# KiCad board 500x500-dc-metro-map3.kicad_pcb
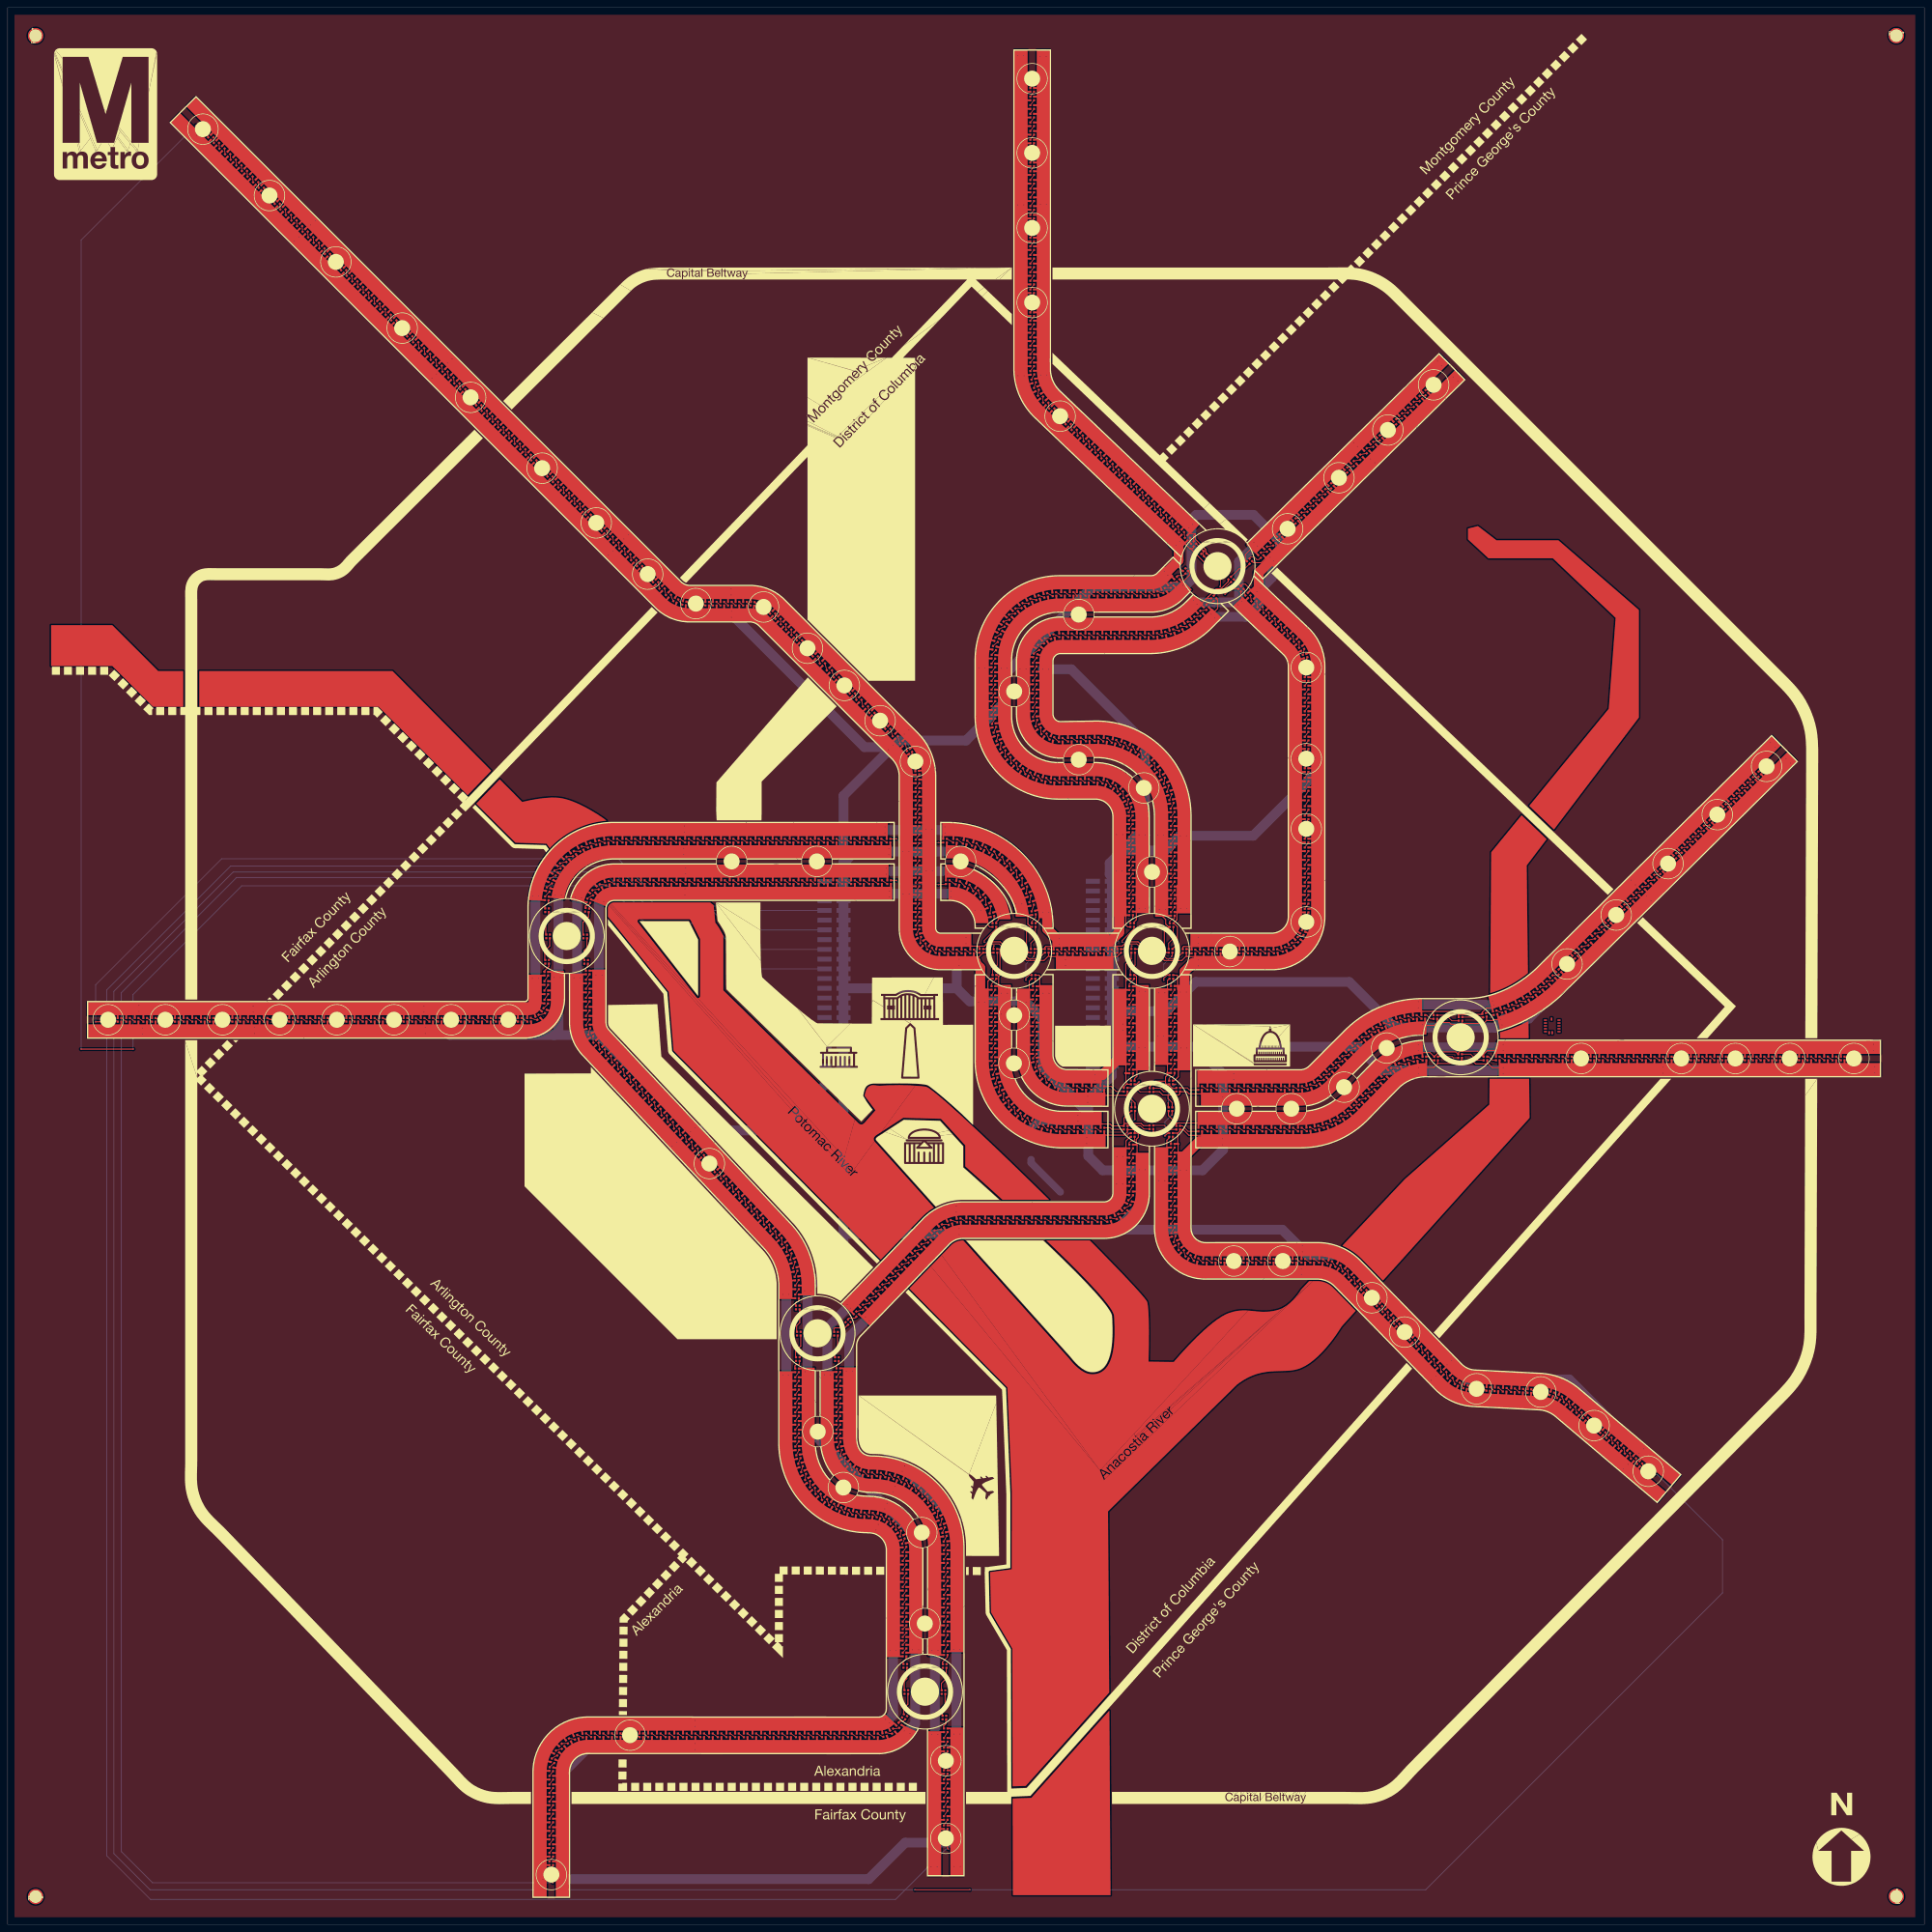
[diagram p0: board, top side]
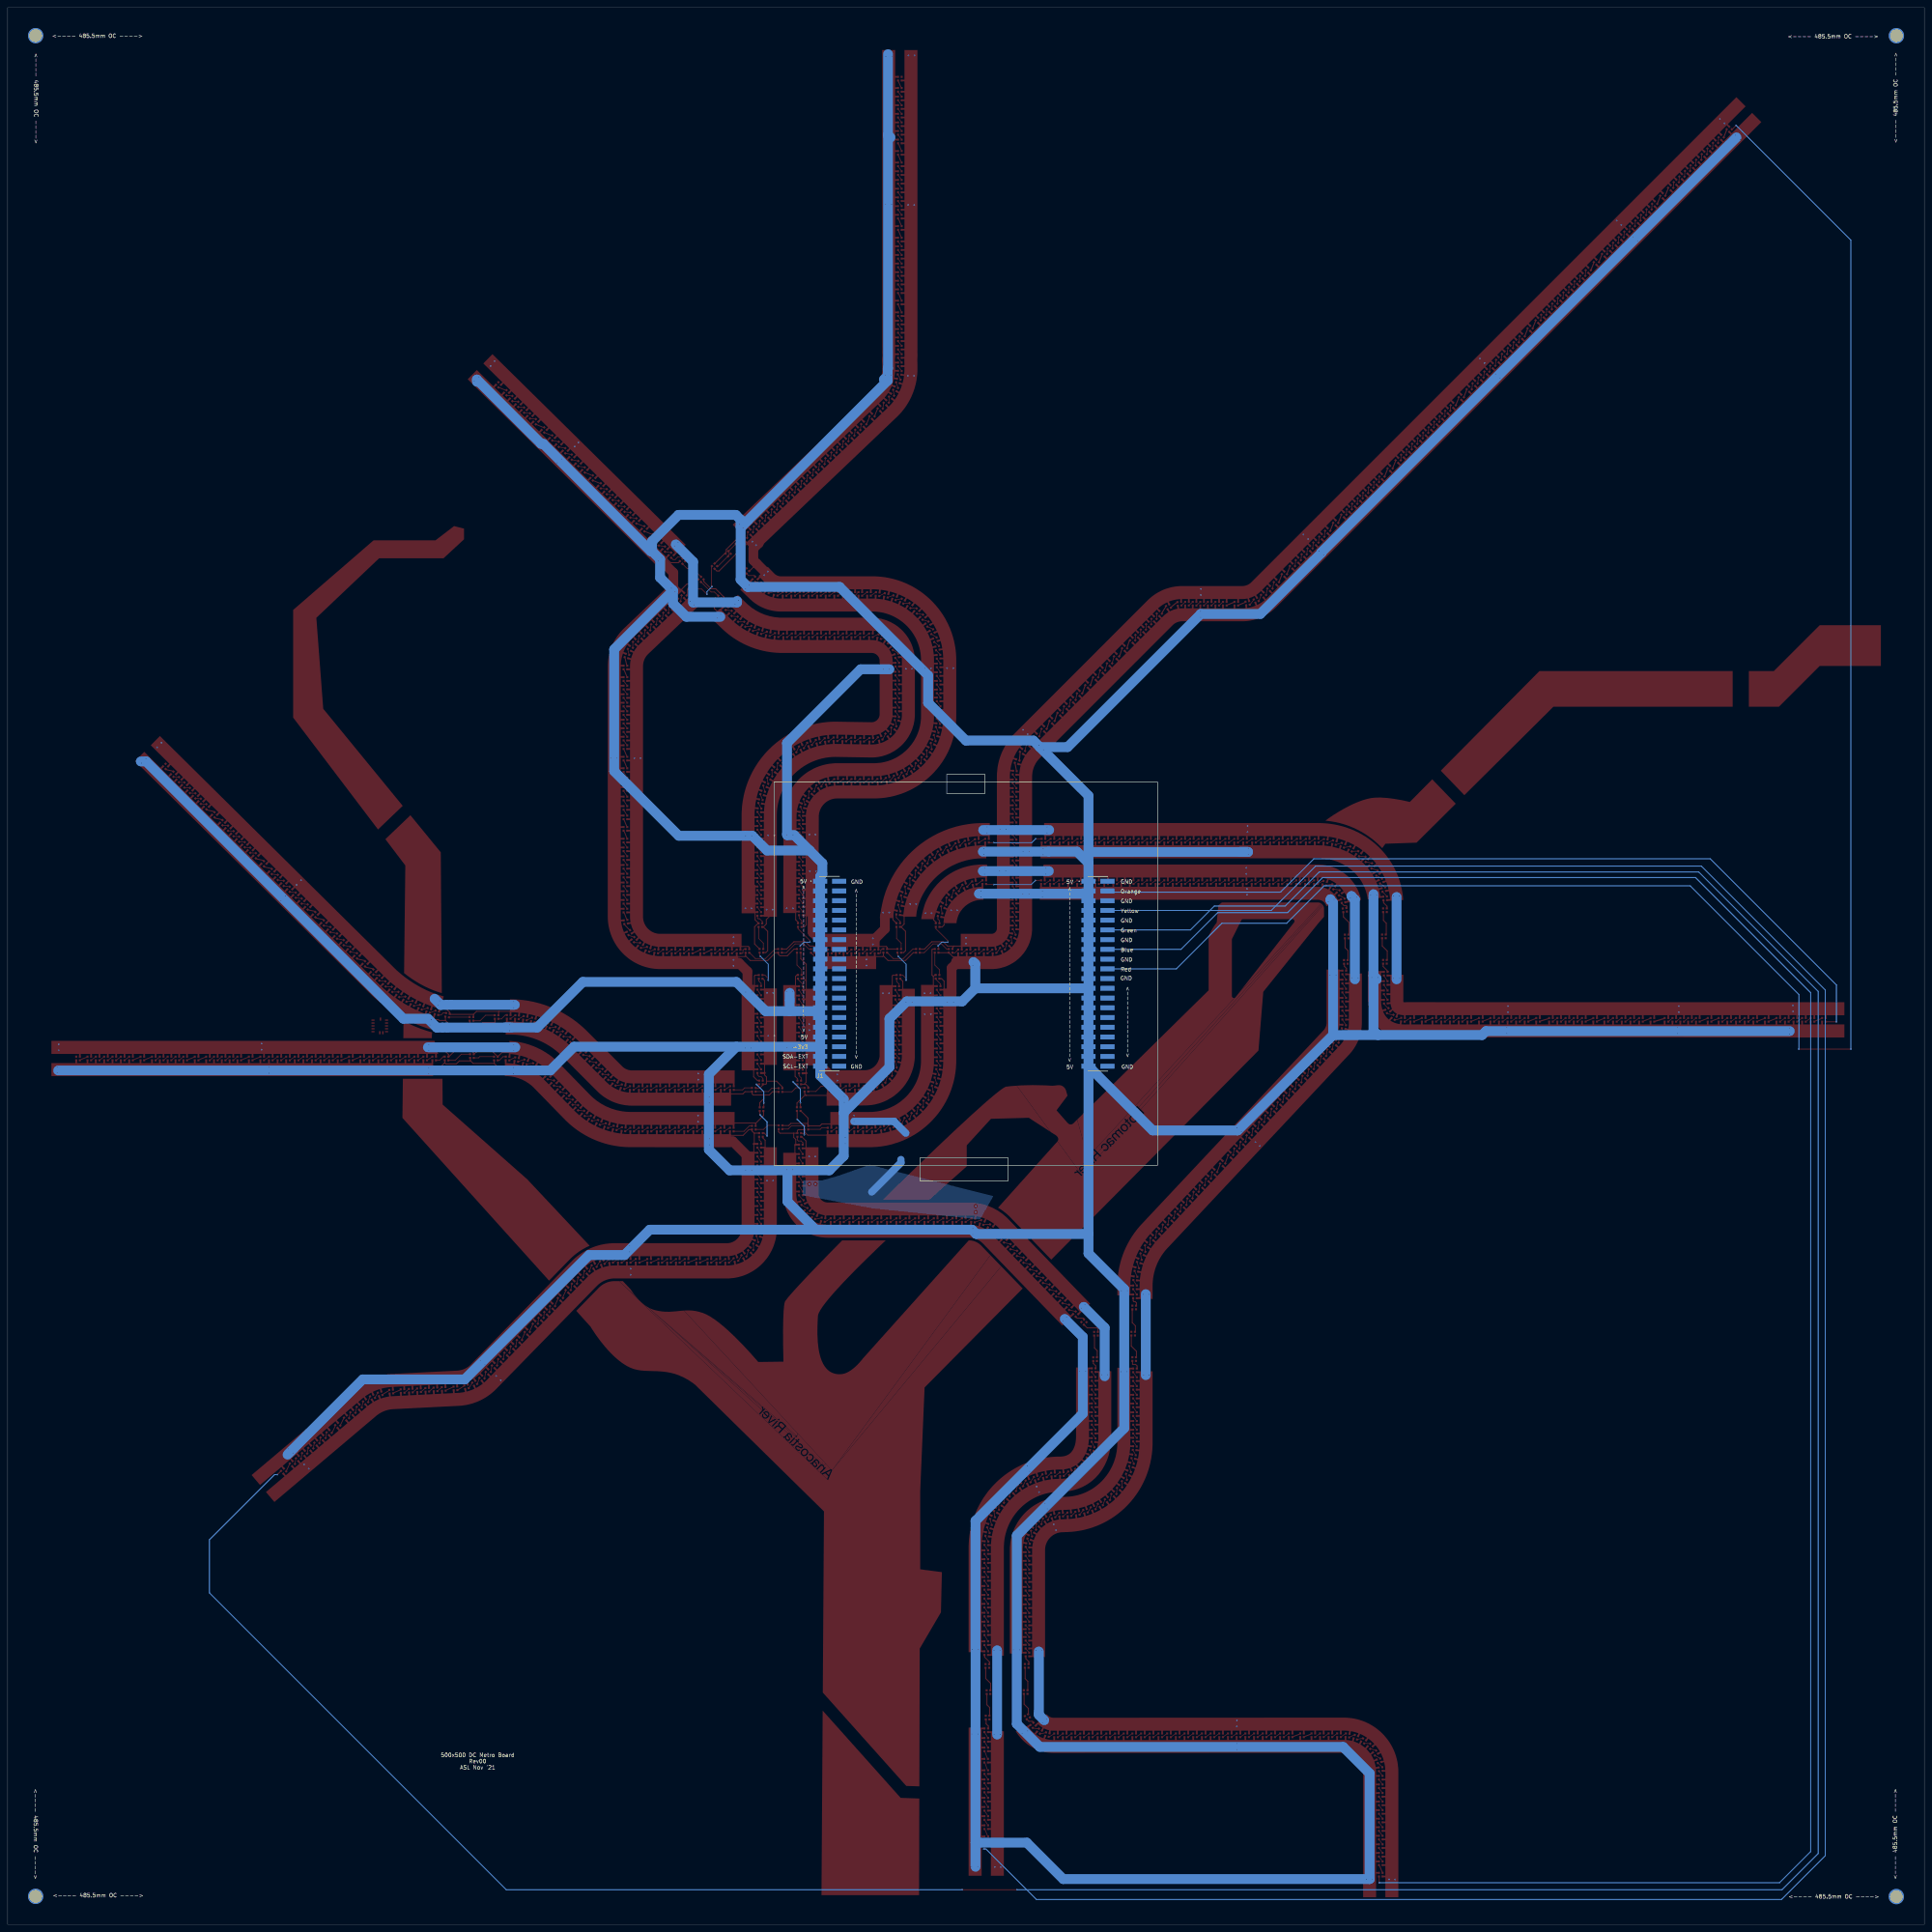
[diagram p1: board, bottom side, seen from below]

Outline 500.06 x 500.06 mm; copper layers: Top, Bottom. Coordinates in mm from the lower left corner of the outline.
Outline path: 0,500.06 0,0 500.06,0 500.06,500.06 0,500.06

## Placement (name value [footprint] x y rotation side)
J1  ESP32-Backpack  [Double-SAMTEC_TSM-120-01-L-DV]  283.06 248.02 180 bottom
M1  Map  [500x500-board]  0.06 500.06 0 top
REF**  Frame Mount  [FrameMount-rev00]  492.76 7.3 90 top
REF**#2  Frame Mount  [FrameMount-rev00]  7.3 7.24 0 top
REF**#3  Frame Mount  [FrameMount-rev00]  7.29 492.75 270 top
REF**#4  Frame Mount  [FrameMount-rev00]  492.76 492.76 180 top
U1  VCNL4010-GS08  [XDCR_VCNL4010-GS08]  402.97 234.4 0 top

## Footprints (pads in the part's own frame, mm; a bottom-side part is the same pattern mirrored in y, then rotated)
500x500-board
  custom 119.471x11.649 smd: 1(137.425,-254.8)
  custom 124.284x17.396 smd: 2(143.075,-254.7)
  custom 59.003x85.055 smd: 3(148.025,-254.35)
  custom 59.023x85.069 smd: 4(154,-254.05)
  custom 93.702x20.393 smd: 5(226.775,-214.35)
  custom 89.711x15.134 smd: 6(227.3,-220.125)
  custom 82.863x10.154 smd: 7(227.375,-225.15)
  custom 78.912x6.078 smd: 8(228.375,-231.225)
  custom 28.717x24.788 smd: 9(246.025,-214.225)
  custom 22.856x19.623 smd: 10(246.5,-220.075)
  custom 17.209x14.265 smd: 11(246.4,-225.35)
  custom 11.334x10.507 smd: 12(247.2,-231.325)
  custom 204.786x222.685 smd: 13(248.95,-243.3)
  custom 209.878x223.384 smd: 14(249.675,-248.925)
  custom 14.875x4.403 smd: 15(279.975,-243.425)
  custom 15.047x4.397 smd: 16(280.875,-249.025)
  custom 33.868x41.404 smd: 17(254.075,-257.975)
  custom 28.065x37.567 smd: 18(260.025,-257.425)
  custom 23.03x30.505 smd: 19(265.3,-258.425)
  custom 17.31x26.663 smd: 20(270.85,-257.825)
  custom 4.401x19.99 smd: 21(290.15,-257.975)
  custom 4.401x22.346 smd: 22(295.875,-257.65)
  custom 4.4x19.965 smd: 23(300.825,-257.825)
  custom 4.4x22.325 smd: 24(306.825,-257.6)
  custom 30.114x92.43 smd: 25(311.95,-243.25)
  custom 34.007x101.087 smd: 26(312.05,-249.375)
  custom 52.203x91.23 smd: 27(290.375,-235.4)
  custom 51.582x87.479 smd: 28(295.875,-234.075)
  custom 49.096x83.989 smd: 29(300.925,-233.85)
  custom 48.553x80.216 smd: 30(306.825,-233.4)
  custom 58.783x22.968 smd: 31(312.3,-279.075)
  custom 58.824x22.965 smd: 32(313.375,-284.625)
  custom 59.037x22.919 smd: 33(313,-290)
  custom 59.099x22.972 smd: 34(314.2,-295.8)
  custom 75.292x43.931 smd: 35(290.1,-301.625)
  custom 76.019x45.095 smd: 36(295.9,-302.175)
  custom 133.288x92.75 smd: 37(300.95,-301.95)
  custom 132.233x86.997 smd: 38(306.925,-301.95)
  custom 76.439x72.194 smd: 39(388.275,-259.15)
  custom 78.484x72.514 smd: 40(390.75,-264.475)
  custom 100.937x4.401 smd: 41(392.325,-271.375)
  custom 99.665x4.401 smd: 42(393.2,-277.1)
  custom 45.537x131.098 smd: 43(302.95,-138.35)
  custom 43.415x126.998 smd: 44(306.75,-133.5)
  custom 52.805x52.837 smd: 45(326.525,-138.925)
  custom 52.803x51.482 smd: 46(330.725,-143.175)
  custom 32.475x74.684 smd: 47(202.75,-358)
  custom 32.457x74.684 smd: 48(208.725,-357.775)
  custom 32.435x74.383 smd: 49(213.65,-358.275)
  custom 32.446x74.383 smd: 50(219.55,-358.025)
  custom 95.031x47.76 smd: 51(227.75,-447.75)
  custom 95.029x45.333 smd: 52(233.275,-451.5)
  custom 4.429x37.763 smd: 53(241.8,-451.55)
  custom 4.401x38.713 smd: 54(247.475,-451.7)
Double-SAMTEC_TSM-120-01-L-DV
  rect 3.68x1.27 smd: 01(-5.015,24.13) 02(-0.065,24.13) 03(-5.015,21.59) 04(-0.065,21.59) 05(-5.015,19.05) 06(-0.065,19.05) 07(-5.015,16.51) 08(-0.065,16.51) 09(-5.015,13.97) 10(-0.065,13.97) 11(-5.015,11.43) 12(-0.065,11.43) 13(-5.015,8.89) 14(-0.065,8.89) 15(-5.015,6.35) 16(-0.065,6.35) 17(-5.015,3.81) 18(-0.065,3.81) 19(-5.015,1.27) 20(-0.065,1.27) 21(-5.015,-1.27) 22(-0.065,-1.27) 23(-5.015,-3.81) 24(-0.065,-3.81) 25(-5.015,-6.35) 26(-0.065,-6.35) 27(-5.015,-8.89) 28(-0.065,-8.89) 29(-5.015,-11.43) 30(-0.065,-11.43) 31(-5.015,-13.97) 32(-0.065,-13.97) 33(-5.015,-16.51) 34(-0.065,-16.51) 35(-5.015,-19.05) 36(-0.065,-19.05) 37(-5.015,-21.59) 38(-0.065,-21.59) 39(-5.015,-24.13) 40(-0.065,-24.13) 41(64.985,24.13) 42(69.935,24.13) 43(64.985,21.59) 44(69.935,21.59) 45(64.985,19.05) 46(69.935,19.05) 47(64.985,16.51) 48(69.935,16.51) 49(64.985,13.97) 50(69.935,13.97) 51(64.985,11.43) 52(69.935,11.43) 53(64.985,8.89) 54(69.935,8.89) 55(64.985,6.35) 56(69.935,6.35) 57(64.985,3.81) 58(69.935,3.81) 59(64.985,1.27) 60(69.935,1.27) 61(64.985,-1.27) 62(69.935,-1.27) 63(64.985,-3.81) 64(69.935,-3.81) 65(64.985,-6.35) 66(69.935,-6.35) 67(64.985,-8.89) 68(69.935,-8.89) 69(64.985,-11.43) 70(69.935,-11.43) 71(64.985,-13.97) 72(69.935,-13.97) 73(64.985,-16.51) 74(69.935,-16.51) 75(64.985,-19.05) 76(69.935,-19.05) 77(64.985,-21.59) 78(69.935,-21.59) 79(64.985,-24.13) 80(69.935,-24.13)
FrameMount-rev00
  round 4 hole 3.2: 1(0,0)
XDCR_VCNL4010-GS08
  rect 0.805x0.35 smd: 1(-1.768,1.5) 2(-1.768,0.75) 3(-1.768,0) 4(-1.768,-0.75) 5(-1.768,-1.5) 7(1.772,-1.5) 8(1.772,-0.75) 9(1.772,0) 10(1.772,0.75) 11(1.772,1.5)
  rect 0.4x0.805 smd: 6(-0.8,-1.772) 12(-0.175,1.772) 13(0,-1.772)

## Nets
+5V: J1.01 J1.03 J1.05 J1.07 J1.09 J1.11 J1.13 J1.15 J1.17 J1.19 J1.21 J1.23 J1.25 J1.27 J1.29 J1.31 J1.33 J1.41 J1.43 J1.45 J1.47 J1.49 J1.51 J1.53 J1.55 J1.57 J1.59 J1.61 J1.63 J1.65 J1.67 J1.69 J1.71 J1.73 J1.75 J1.77 J1.79 M1.2
GND: J1.02 J1.04 J1.06 J1.08 J1.10 J1.12 J1.14 J1.16 J1.18 J1.20 J1.22 J1.24 J1.26 J1.28 J1.30 J1.32 J1.34 J1.36 J1.38 J1.40 J1.42 J1.46 J1.50 J1.54 J1.58 J1.62 J1.64 J1.66 J1.68 J1.70 J1.72 J1.74 J1.76 J1.78 J1.80 M1.1 U1.12
Net-(J1-Pad35): J1.35 U1.1 U1.7
Net-(J1-Pad37): J1.37 U1.4
Net-(J1-Pad39): J1.39 U1.5
Net-(J1-Pad44): J1.44 M1.3
Net-(J1-Pad48): J1.48 M1.4
Net-(J1-Pad52): J1.52 M1.5
Net-(J1-Pad56): J1.56 M1.6
Net-(J1-Pad60): J1.60 M1.7
Net-(U1-Pad2): U1.2
Net-(U1-Pad3): U1.3
Net-(U1-Pad6): U1.6
Net-(U1-Pad8): U1.8
Net-(U1-Pad9): U1.9
Net-(U1-Pad10): U1.10
Net-(U1-Pad11): U1.11
Net-(U1-Pad13): U1.13

Pads without a net: M1 8 9 10 11 12 13 14 15 16 17 18 19 20 21 22 23 24 25 26 27 28 29 30 31 32 33 34 35 36 37 38 39 40 41 42 43 44 45 46 47 48 49 50 51 52 53 54; REF** 1; REF**#2 1; REF**#3 1; REF**#4 1

## Via types
v1: diameter 0.4, hole 0.198, Top to Bottom, 357 vias

## Routing (per net, layer and track width the routed paths; a pad name or vN(x,y) marks a point on that pad's centre or on a via; arc(x,y) is an arc through that point)
5V: length 3000.5
  Top w0.203: 307.53,253.46 307.42,253.35 307.37,253.35
  Top w0.254: 298.99,253.51 299.74,253.51 301.78,251.47 306.35,251.47 307.54,252.67 ; 303.96,206.46 303.93,206.43 305.3,206.43 ; 254.28,220.61 254.28,242.41 255.75,243.88 255.75,246.09 256.4,246.73 256.93,246.73 ; 307.54,252.67 307.54,253.51 ; 307.54,252.67 307.72,252.49 325.72,252.49 327.35,250.86 ; 305.85,207.36 306.68,207.36 308.18,205.85 314.38,205.85 315.93,204.31 ; 305.85,207.36 305.94,207.26 305.94,207.23 ; 305.85,207.36 305.85,206.98 305.3,206.43 ; 305.3,206.43 305.27,206.4 305.27,203.63 ; 305.27,203.63 305.38,203.52 305.38,195.6 306.85,194.13 ; 305.27,203.63 304.38,203.63 ; 248.12,268.66 247.38,268.66 ; 257.2,253.51 254.5,253.51 253.43,252.44 251.94,252.44 ; 266.52,243.85 266.52,246.05 267.13,246.66 ; 266.98,253.53 266.29,253.53 265.81,254.01 265.81,259.08 266.93,260.21 266.17,260.97 266.17,262.98 ; 299,253.51 299,253.12 298.58,252.69 296.65,252.69 294.88,254.46 294.1,254.46 ; 369.69,234.53 372.17,234.53 372.93,235.29 ; 379.45,235.04 379.23,234.82 376.62,234.82 376.15,235.29 372.93,235.29 ; 379.45,235.04 379.45,235.76 ; 379.45,235.04 385.06,235.04 385.85,235.83 ; 385.85,235.83 385.85,236.81 ; 385.85,235.83 387.47,235.83 387.7,236.06 v1(389.58,236.06) ; 373.1,225.46 373.1,224.6 ; 373.1,224.6 378.59,224.6 379.26,225.27 ; 373.1,224.6 372.05,223.55 v1(368.08,223.55) ; 379.35,226.06 379.35,225.36 379.26,225.27 ; 379.26,225.27 382.21,225.27 383.01,224.48 385.76,224.48 385.98,224.7 ; 385.98,224.7 385.98,225.41 ; 385.98,224.7 386.15,224.7 387.34,223.5 v1(390.2,223.5) ; 372.93,236.23 372.93,235.29
  Top w2.54: 307.05,234.83 307.05,248.6 309.31,250.86 327.35,250.86 ; 252.6,251.22 252.6,250.68 253.78,249.51 253.78,242.91 254.28,242.41 ; 306.85,194.13 306.85,200.25 310.91,204.31 315.93,204.31 ; 326.39,348.32 326.39,352.64 329.57,355.82
  Bottom w2.54: 386.5,233.98 370.29,233.98 ; 386.65,233.96 388.1,233.96 390.41,236.27 396.79,236.27 463.93,303.4 465.33,303.4 ; 245.64,279.87 221.07,279.87 218.07,276.87 ; 296.04,243.01 296.04,238.25 ; 296.04,238.25 288.95,238.25 288.07,239.13 ; 296.04,238.25 302.32,238.25 309.94,245.87 350.01,245.87 361.91,233.98 370.29,233.98 ; 247.55,21.31 247.55,15.02 ; 247.55,21.31 234.16,21.31 224.66,11.81 144.72,11.81 144.72,39.37 151.64,46.29 230.76,46.29 236.78,52.31 236.78,101.42 208.74,129.46 208.74,165.7 218.07,175.03 218.07,180.14 ; 247.55,21.31 247.55,105.26 219.56,133.25 219.56,153.25 224.26,157.95 ; 218.07,223.89 201.32,207.14 179.13,207.14 154.25,232.02 ; 218.07,223.89 218.07,180.14 ; 218.07,223.89 218.07,268.68 ; 326.47,347.99 329.84,351.37 329.84,356.15 331.93,358.23 ; 326.47,347.99 341.82,332.64 341.82,300.86 324.97,284.01 v1(307.53,284.01) 305.79,284.01 301.94,280.16 290.83,280.16 ; 326.47,347.99 326.47,344.61 322.99,341.13 314.12,341.13 ; 296.61,196.72 285.69,196.72 281.94,200.47 281.94,211.71 ; 296.61,196.72 311.72,196.72 317.12,202.12 317.12,221.81 309.96,228.97 ; 296.61,196.72 296.61,188.6 289.24,181.23 ; 230.76,307.15 232.45,308.85 250.04,308.85 259.91,318.71 259.91,325.84 283,348.93 306.93,348.93 ; 230.76,307.15 218.07,294.46 218.07,279.8 ; 230.76,307.15 223.52,307.15 188.79,341.88 173.23,341.88 157.29,357.82 157.29,357.95 49.02,466.22 ; 308.84,364.66 308.84,350.84 306.93,348.93 ; 308.84,364.66 308.84,366.48 310.08,367.73 325.04,367.73 331.93,360.85 331.93,358.23 ; 308.84,364.66 308.57,364.66 270.45,402.78 270.45,404.05 ; 154.25,232.02 142.54,232.02 ; 154.25,232.02 154.25,266.51 154.94,267.2 154.94,267.47 ; 270.45,404.05 270.45,405.89 270.38,405.96 270.38,466.85 ; 270.45,404.05 271.46,403.03 ; 290.83,280.16 294.83,284.16 296.63,284.16 v1(296.74,284.26) 296.74,308.23 277.52,327.44 v1(270.01,327.44) ; 290.83,280.16 287.51,276.84 287.51,273.99 288.07,273.42 288.07,223.89 288.07,221.43 281.94,215.3 281.94,211.71 ; 309.96,228.97 352.31,228.97 358.49,222.79 486.88,222.79 ; 309.96,228.97 288.07,228.97 ; 218.07,268.68 218.07,272.15 218.07,276.87 ; 218.07,268.68 218.29,268.9 246.66,268.9 ; 142.54,232.02 115.39,232.02 114.36,233.05 35.12,233.05 ; 142.54,232.02 143.71,233.18 143.71,247.51 ; 248.09,251.08 247.6,250.58 247.6,244.21 ; 218.07,244.21 247.6,244.21 ; 247.6,244.21 251.02,240.79 265.49,240.79 270,236.28 270,223.65 281.94,211.71 ; 143.71,247.51 143.71,268.77 ; 143.71,247.51 142.9,246.7 142.9,246.52 ; 218.07,180.14 247.38,180.14 248.48,181.23 289.24,181.23 ; 370.29,233.98 368.8,233.98 ; 218.07,276.87 218.07,279.8 ; 218.07,279.8 176.45,279.8 178.42,279.8 ; 331.93,358.23 332.26,358.23 360.3,386.27 360.87,386.27 377.63,403.03 377.63,402.46 ; 270.38,466.85 270.38,487.93 ; 270.38,466.85 269.75,466.22 ; 306.93,348.93 307.04,348.93 ; 289.24,181.23 332.55,181.23 339.15,174.62 348.36,174.62 380.81,142.18 407.42,142.18 427.04,122.56
  vias: v1(35.22,233.86) v1(35.22,232.28) v1(48.07,465.65) v1(49.28,466.79) v1(64.36,233.98) v1(64.36,232.41) v1(74.8,439.1) v1(76.01,440.25) v1(108.94,233.98) v1(108.94,232.41) v1(110.68,403.35) v1(111.89,404.5) v1(142.6,247.03) v1(142.85,268.59) v1(143.97,11.79) v1(144.17,247.03) v1(144.45,268.49) v1(145.54,11.79) v1(153.49,247.61) v1(154,267.42) v1(155.07,247.61) v1(155.52,266.81) v1(156.72,357.19) v1(157.92,358.33) v1(176.38,280.72) v1(176.38,279.15) v1(176.7,270.18) v1(176.7,268.61) v1(178.18,206.82) v1(179.36,207.82) v1(179.3,47.17) v1(179.3,45.59) v1(188.82,342.57) v1(188.82,341) v1(207.92,165.32) v1(208.03,144.18) v1(209.5,165.32) v1(209.6,144.18) v1(218.8,144.26) v1(220.37,144.26) v1(223.8,158.48) v1(224.79,157.47) v1(228.83,108.39) v1(229.43,109.86) v1(229.81,306.45) v1(229.9,280.63) v1(229.9,279.06) v1(230.1,269.61) v1(230.1,268.03) v1(231.01,307.59) v1(233.4,118.17) v1(233.57,279.85) v1(233.62,268.79) v1(233.93,50.46) v1(234,119.63) v1(235.15,279.85) v1(235.2,268.79) v1(235.41,49.8) v1(236.09,71.62) v1(237.67,71.62) v1(245.34,280.68) v1(245.34,279.11) v1(246.1,269.61) v1(246.1,268.03) v1(246.79,71.77) v1(246.91,49.64) v1(246.96,15.09) v1(248.25,251.78) v1(248.25,250.2) v1(248.26,181.53) v1(248.26,179.96) v1(248.36,71.77) v1(248.49,49.64) v1(248.54,15.09) v1(252.35,264.57) v1(253.3,240.63) v1(253.92,264.57) v1(254.88,240.63) v1(259.22,327.7) v1(260.79,327.7) v1(263.02,266.22) v1(264.1,240.56) v1(264.59,266.22) v1(265.67,240.56) v1(269.38,487.34) v1(269.44,448.79) v1(269.51,404.22) v1(270.95,487.34) v1(271.02,448.79) v1(271.08,404.22) v1(271.59,327.44) v1(281.53,205.28) v1(281.53,203.71) v1(281.79,216.01) v1(281.79,214.44) v1(295.16,284.26) v1(295.15,228.69) v1(295.21,265.07) v1(295.27,243.42) v1(295.22,196.89) v1(296.72,228.69) v1(296.79,265.07) v1(296.85,243.42) v1(296.8,196.89) v1(305.96,284.01) v1(305.94,243.23) v1(305.94,196.68) v1(306.01,265.07) v1(306.07,228.63) v1(306.6,349.36) v1(307.54,348.4) v1(307.52,243.23) v1(307.52,196.68) v1(307.58,265.07) v1(307.64,228.63) v1(308.2,364.3) v1(309.17,365.24) v1(310.68,251.64) v1(310.68,250.06) v1(314.02,341.8) v1(314.96,340.83) v1(316.9,204.97) v1(316.9,203.39) v1(317.03,215.89) v1(317.03,214.31) v1(325.93,347.66) v1(326.9,348.6) v1(329.39,356.65) v1(330.33,355.69) v1(337.79,177.03) v1(337.79,175.45) v1(341.13,304.27) v1(342.71,304.27) v1(355.57,382.32) v1(356.68,381.32) v1(368.08,221.98) v1(369.11,234.72) v1(369.11,233.15) v1(375.54,145.99) v1(376.75,147.13) v1(377.1,403.72) v1(378.33,402.59) v1(389.9,234.65) v1(390.2,221.93) v1(425.64,122.94) v1(426.85,124.08) v1(427.61,268.29) v1(428.75,267.08) v1(431.84,223.63) v1(431.84,222.06) v1(463.99,304.17) v1(465.14,302.96) v1(487.15,223.76) v1(487.15,222.19)
GND: length 325
  Top w0.203: 291.72,261.1 291.72,279.74 ; 291.72,261.02 291.72,279.66 290,281.38 ; 315.63,353.68 315.61,353.68
  Top w0.254: 289.08,255.23 289.49,254.82 289.49,254.46 ; 289.08,255.23 286.99,255.23 ; 289.08,255.23 290.8,255.23 291.92,256.35 294.92,256.35 296.81,254.46 298.04,254.46 ; 291.72,261.02 291.72,260.72 292.23,260.21 292.87,260.21 ; 268.15,261.16 269.09,262.09 269.09,271.13 ; 253.53,254.46 253.53,254.82 253.11,255.23 ; 253.11,255.23 254.84,255.23 255.96,256.35 258.95,256.35 260.85,254.46 262.08,254.46 ; 253.11,255.23 251.03,255.23 ; 258.5,269.44 258.5,262.09 257.88,261.47 257.88,261.21 ; 267.9,254.48 270.6,254.48 270.6,254.89 270.84,255.13 275.93,255.13 277.25,256.46 ; 308.43,358.91 306.14,361.21 304.1,361.21 ; 308.43,358.91 309.14,358.91 309.4,359.17 309.4,359.51 ; 308.43,358.91 308.64,358.91 314.46,353.09 315.04,353.09 315.63,353.68 ; 306.6,353.08 306.51,353.08 304.6,354.99
  Top w2.54: 290,281.36 290,258.77 ; 290,281.38 290,258.79 287.67,256.46 274.45,256.46 271.19,259.72 271.19,263.03 ; 304.1,361.21 304.1,360.35 305.51,358.95 305.51,355.9 302.85,353.24
  Bottom w1.905: 267.02,199.52 267.02,198.69 274.64,191.07
  Bottom w2.54: 228.32,285.51 245.54,285.51 ; 228.42,274.79 245.64,274.79 ; 137.69,246.55 137.69,268.03 ; 149.45,268.29 149.45,268.26 148.56,267.37 148.56,246.57 ; 203.12,164.43 203.12,143.29 ; 229.62,53.25 231.04,54.67 231.04,71.18
  vias: v1(34.26,239.76) v1(34.26,238.19) v1(52.13,469.9) v1(53.34,471.04) v1(64.05,239.57) v1(64.05,238) v1(79.06,443.36) v1(80.26,444.5) v1(108.62,239.57) v1(108.62,238) v1(114.74,407.35) v1(115.95,408.5) v1(136.88,246.8) v1(136.98,268.34) v1(138.06,11.72) v1(138.46,246.8) v1(138.56,268.34) v1(139.64,11.72) v1(147.73,246.95) v1(148.13,267.96) v1(149.3,246.95) v1(149.73,267.75) v1(160.78,361.44) v1(161.99,362.59) v1(173.35,203.07) v1(174.54,204.08) v1(176.57,286.56) v1(176.57,284.99) v1(176.89,275.64) v1(176.89,274.07) v1(179.36,53.2) v1(179.36,51.63) v1(188.76,348.41) v1(188.76,346.84) v1(202.26,164.35) v1(202.29,143.32) v1(203.68,143.32) v1(203.84,164.35) v1(226.54,102.87) v1(227.14,104.33) v1(228.88,286.32) v1(228.88,284.75) v1(229.03,53.48) v1(229.18,275.55) v1(229.18,273.98) v1(230.1,52.51) v1(230.2,71.51) v1(231.78,71.51) v1(233.93,310.51) v1(235.14,311.66) v1(239.6,285.66) v1(239.68,274.83) v1(241.17,285.66) v1(241.26,274.83) v1(244.53,286.32) v1(244.53,284.75) v1(245.19,275.55) v1(245.19,273.98) v1(250.02,257.43) v1(250.02,255.85) v1(253.38,327.76) v1(254.95,327.76) v1(259.02,263.8) v1(260.59,263.8) v1(263.47,487.59) v1(263.54,448.6) v1(263.6,404.03) v1(265.05,487.59) v1(265.11,448.6) v1(265.18,404.03) v1(270.07,263.99) v1(271.64,263.99) v1(274.35,257.24) v1(274.35,255.66) v1(289.18,274.79) v1(289.32,284.33) v1(290.75,274.79) v1(290.89,284.33) v1(301.75,352.97) v1(302.69,352.01) v1(304.83,359.83) v1(305.79,360.77)
(no net): length 1090.1
  Top w0.203: 372.16,225.44 371.76,225.44 370.82,226.38 370.06,226.38 ; 291.18,217.28 291.19,217.3 289.22,217.3 287.84,218.68 286.06,218.68 ; 388.25,225.43 387.36,225.43 386.4,226.39 385.99,226.39 ; 304.88,217.29 301.57,217.29 300.73,218.13 298.86,218.13 ; 305.82,218.24 307.79,218.24 308.3,217.73 310.6,217.73 ; 373.11,226.39 376.9,226.39 377.22,226.07 378.41,226.07 ; 303.47,203.66 303.47,204.14 303.97,204.64 303.97,205.5 ; 292.13,208.34 295.59,208.34 296.43,207.5 297.92,207.5 ; 304.43,222.13 304.43,221.61 303.96,221.15 303.45,221.15 303.02,220.71 303.02,220.14 ; 385.03,225.44 383.29,225.44 381.7,227.03 379.36,227.03 ; 297.91,217.22 295.45,217.22 294.41,218.26 292.14,218.26 ; 298.85,208.47 301.76,208.47 302.83,207.4 304.9,207.4 ; 305.83,208.34 306.51,208.34 307.94,206.91 310.64,206.91 ; 292.58,203.43 292.58,203.92 293.04,204.38 293.75,204.38 294,204.63 294,205.48 ; 378.31,226.07 378.38,226.15 ; 286.09,207.85 287.64,207.85 288.08,207.42 291.17,207.42 ; 293.03,220.14 293.03,220.83 293.58,221.38 293.58,222.05 293.65,221.97 ; 294.13,253.54 294.13,250.28 292.9,249.05 292.9,247.67 ; 293.15,254.5 293.15,255.14 v1(293.29,255.28) ; 304.1,260.26 304.1,257.2 302.9,256 302.9,254.44 ; 319.16,350.25 316.52,347.61 315.65,347.61 314.66,346.62 314.63,346.62 314.67,346.62 ; 319.1,351.6 319.1,351.75 ; 323.99,354.94 322.78,353.73 321.34,353.73 319.19,351.59 319.11,351.59 ; 323.95,356.37 324.08,356.37 ; 326.9,356.54 326.43,356.07 325.91,356.07 325.25,356.73 324.28,356.73 323.95,356.4 323.95,356.31 ; 378.55,235.74 376.8,235.74 375.35,237.19 372.91,237.19 ; v1(290.75,256.25) 290.75,256.65 293.84,259.74 293.84,260.26 ; 306.52,253.52 304.99,251.98 302.34,251.98 299.83,254.49 299.01,254.49 ; 379.49,236.7 384.82,236.7 384.9,236.62 ; 385.65,237.78 386.44,237.78 386.98,237.24 387.68,237.24 ; 369.76,237.25 370.21,237.25 371.23,236.23 371.97,236.23 ; 292.89,261.2 292.89,261.84 293.55,262.5 293.55,263.29 293.58,263.32 ; 293.89,246.59 292.62,245.32 292.62,244.79 ; 307.51,254.5 307.9,254.5 308.23,254.17 308.23,253.5 308.41,253.33 308.79,253.33 ; 303.14,261.23 303.14,261.63 303.86,262.34 304.22,262.34 304.43,262.55 304.43,263.18 ; 293.95,247.71 293.83,247.71 293.83,247.71 ; 271.55,253.51 271.58,253.51 271.65,253.43 ; 309.88,362.81 308.81,362.81 305.46,366.15 304.69,365.38 304.68,365.38 ; 322.88,346.68 322.86,346.68 322.71,346.82 322.71,348.13 322.41,348.43 ; 322.43,348.37 322.43,348.32 ; 233.27,170.95 233.27,170.8 ; 266.94,254.44 266.94,256 268.14,257.2 268.14,260.26 ; 268.02,253.56 267.87,253.56 267.85,253.54 267.85,252.7 v1(267.69,252.54) ; 256.94,247.67 256.94,249.05 258.17,250.28 258.17,253.54 ; 257.88,260.26 257.88,259.74 254.79,256.65 v1(254.79,256.25) ; 230.3,283.2 231.85,283.2 v1(231.88,283.22) ; 257.93,246.75 257.93,246.59 256.66,245.32 256.66,244.79 ; 257.36,263.07 257.36,262.27 256.93,261.84 256.93,261.2 ; 244.78,271.39 244.68,271.28 v1(242.8,271.28) ; 268.22,263.53 268.22,262.67 267.18,261.63 267.18,261.23 ; v1(257.33,255.28) 257.19,255.14 257.19,254.5 ; 230.44,272.39 231.89,272.39 v1(231.93,272.35) ; v1(303.66,252.54) 303.81,252.7 303.81,253.54 ; v1(301.62,246.34) 301.62,246.8 302.5,247.68 303.09,247.68 ; 244.03,282.24 244,282.21 v1(242.8,282.21) ; 262.05,253.52 260.92,253.52 258.65,255.79 256.41,255.79 255.09,254.47 254.5,254.47 ; 263.05,254.49 263.87,254.49 266.37,251.98 269.02,251.98 270.56,253.52 270.48,253.44 ; 289.47,253.45 288.89,253.45 288.02,254.33 ; 267.48,244.75 267.48,245.32 268.13,245.97 268.13,246.74 ; 271.55,254.5 271.93,254.5 272.26,254.17 272.26,253.5 272.44,253.33 272.83,253.33 ; v1(265.66,246.34) 265.66,246.8 266.53,247.68 267.13,247.68 ; 298.01,253.52 296.89,253.52 294.61,255.79 292.38,255.79 291.05,254.47 290.46,254.47 ; 252.06,254.33 252.93,253.45 253.51,253.45 253.54,253.49 ; 268.25,247.66 268.11,247.66 268.1,247.66 ; 321.03,348.4 320.83,348.4 ; 305.02,351.6 305.02,351.64 305.28,351.9 306.75,351.9 307.26,352.42 ; 321.08,348.39 319,348.39 v1(317.63,347.02) ; 310.08,360.19 311.84,358.43 311.84,357.24 314.76,354.32 314.93,354.32 ; 303.49,244.83 303.49,245.51 304.08,246.1 304.08,246.74 ; 314.63,345.27 314.1,344.74 313.11,344.74 312.7,344.33 312.7,344.26 ; v1(316.3,349.02) 316.46,349.18 316.46,354.19 316.3,354.36
  Top w0.254: v1(301.93,205.7) 302.69,206.46 302.99,206.46 303.01,206.45 ; 303.96,219.18 304.71,219.18 v1(304.72,219.16) ; 303.81,212.22 303.81,211.24 v1(303.76,211.19) ; 302.87,213.17 302.79,213.24 v1(302.79,214.29) ; v1(294.06,210.02) 294.09,210.05 294.09,212.22 ; 293.18,213.22 293.24,213.28 v1(293.24,214.34) ; v1(295.22,219.88) 294.51,219.17 293.97,219.17 ; 293.03,206.44 292.95,206.36 292.53,206.36 292.23,206.06 v1(292.23,206.01) ; 293.89,246.59 293.89,246.75 293.89,246.76 ; 298.93,207.5 298.93,207.51 298.93,206.76 298.57,206.41 294.98,206.41 ; 290.47,253.51 289.4,252.44 287.91,252.44 ; 304.12,261.16 305.05,262.09 305.05,271.13 ; 268.98,205.91 291.31,205.91 292.13,206.72 292.13,207.33 293.8,207.33 294.03,207.1 294.03,206.41 294.98,206.41 ; 293.84,261.21 293.84,261.47 294.46,262.09 294.46,269.44 ; 304.13,261.24 304.13,261.18 304.27,261.18 305.19,260.27 305.19,255.79 303.85,254.46 ; 309.45,360.79 309.5,360.79 ; 321.74,349.11 321.74,349.16 ; 293.87,247.71 294.11,247.71 294.51,247.31 294.51,244.36 ; 305.23,243.89 305.23,247.46 305.04,247.66 304.07,247.66 ; 294.45,203.43 294.67,203.21 294.67,195.57 295.98,194.26 ; 294.45,203.43 293.58,203.43 ; 294.45,203.43 294.45,204.77 294.98,205.3 294.98,206.41 ; 305.43,233.21 305.43,221.15 304.42,220.13 303.98,220.13 ; 302.74,216.37 302.74,215.46 303.83,214.37 303.83,213.18 ; 302.74,216.37 301.37,216.37 300.51,217.23 298.83,217.23 ; 302.74,216.37 305.54,216.37 305.8,216.63 305.8,217.23 307.67,217.23 308.23,216.67 314.93,216.67 315.98,215.63 ; 292.1,217.21 292.1,216.65 291.72,216.27 ; 266.52,243.85 264.93,242.26 264.93,226.11 ; 256.9,260.21 256.27,260.21 255.75,260.72 255.75,261.02 ; 291.72,216.27 292.13,216.27 294.13,214.27 294.13,213.16 ; 291.72,216.27 274.77,216.27 ; 294,220.13 294,220.63 294.61,221.25 294.61,233.79 295.68,234.86 ; 267.25,260.21 266.93,260.21 ; 324.65,355.63 324.67,355.63 325.04,355.26 327.08,355.26 329.4,357.58 331.4,357.58 ; 319.8,350.91 319.95,350.91 321.78,349.08 321.78,349.25 322.2,349.67 322.86,349.67 327.58,344.94 ; 315.37,345.93 315.33,345.93 315.33,345.92 315.7,345.55 315.7,343.32 314.44,342.06 ; 315.6,355.03 315.57,355.03 312.6,358 312.6,358.66 309.88,361.38 309.88,362.81 309.4,362.33 309.4,360.83 ; 234.4,171.16 234.4,171.12 ; 271.58,252.67 271.58,253.51 ; 271.58,252.67 270.38,251.47 265.81,251.47 263.78,253.51 263.03,253.51 ; 271.58,252.67 271.75,252.49 276.12,252.49 277.45,251.16 ; 307.98,353.11 307.99,353.11 308.33,352.77 308.33,352.01 304.16,347.84 ; 233.27,170.95 233.27,170.83 ; 347.66,171.94 347.74,171.94 ; 305.08,209.05 314.48,209.05 315.78,210.36 ; 305.08,209.05 304.88,208.85 304.88,208.33 304.93,208.38 ; 305.08,209.05 304.83,209.05 302.85,211.03 302.85,212.21 ; 293.05,205.46 292.84,205.46 291.77,204.38 291.77,196.17 290.23,194.63 ; 303.43,222.13 302.62,222.13 302.59,222.16 302.59,233.07 301.08,234.58 302.59,236.09 302.59,246.24 303.08,246.73 ; 303.45,222.06 302.59,222.06 302.59,221.6 302.08,221.09 302.08,219.98 ; 292.6,222.01 291.72,222.01 291.62,222.11 ; 290.18,234.73 291.77,233.14 291.77,222.11 ; 291.62,222.11 291.77,222.11 ; 291.62,222.11 291.52,222.11 ; 292.53,222.11 291.77,222.11 ; 291.77,222.11 291.77,219.67 292.26,219.18 ; 291.72,246.09 292.36,246.73 292.89,246.73 ; 291.72,246.09 291.72,243.88 ; 291.72,246.09 291.72,250.51 293.13,251.92 293.13,253.51 ; 308.79,360.18 308.48,360.49 308.48,361.71 ; 311.89,255.13 306.81,255.13 306.57,254.89 306.57,254.48 ; 331.39,363.44 332.46,364.5 332.46,364.86 ; 303.22,260.21 302.9,260.21 ; 302.9,260.21 301.78,259.08 301.78,254.01 302.26,253.53 302.94,253.53 ; 302.9,260.21 302.13,260.97 302.13,262.14 301.25,263.02 ; 323.22,355.56 323.16,355.56 ; 297.76,208.5 297.79,208.5 297.88,208.41 296.28,208.41 295.73,208.95 291.26,208.95 ; 292.94,205.5 292.84,205.5 ; 302.08,219.98 299.44,219.98 297.93,218.46 297.93,218.11 ; 302.08,219.98 302.08,219.37 302.24,219.21 303.03,219.21 303.03,218.98 303.9,218.11 304.83,218.11 ; 303.03,205.48 303.03,205.17 302.44,204.58 302.44,195.89 300.98,194.43 ; 260.03,224.22 260.03,242.88 258.55,244.36 258.55,247.31 ; 291.26,208.95 291.26,208.44 291.13,208.31 288.15,208.31 287.65,208.8 275.45,208.8 ; 291.26,208.95 291.26,210.37 293.15,212.26 ; 270.73,242.43 269.27,243.89 269.27,247.46 269.07,247.66 268.1,247.66 ; 257.9,247.71 258.15,247.71 258.55,247.31 ; 258.13,254.46 258.76,254.46 258.9,254.32 258.9,247.66 258.55,247.31 ; 292.26,219.18 293.05,219.18 ; 292.26,219.18 291.84,219.18 291.15,218.49 291.15,218.23 ; 313.98,345.91 312.75,345.91 ; 312.75,345.91 312.8,345.91 313.31,346.42 ; 312.75,345.91 311.23,344.39 311.23,343.93 ; 313.31,346.42 313.2,346.31 ; 313.31,346.42 315.34,348.45 316.54,348.45 318.43,350.34 318.43,350.88 ; 323.33,355.61 323.22,355.61 322.91,355.92 322.91,357.41 327.35,361.86 ; 326.4,341.81 321.75,346.46 321.75,347.73 ; 371.98,237.16 371.98,238.05 371.84,238.19 ; 371.84,238.19 366.43,238.19 ; 371.84,238.19 377.75,238.19 378.53,237.41 ; 378.53,237.41 378.53,236.73 ; 378.53,237.41 384.58,237.41 384.73,237.56 384.73,237.96 385.88,239.11 387.56,239.11 ; v1(390.18,227.99) 386.07,227.99 385.05,226.97 385.05,226.38 384.93,226.38 383.51,227.81 378.94,227.81 378.4,227.27 378.4,227.03 377.81,227.63 373.46,227.63 372.24,226.41 372.15,226.41 371.12,227.44 368.89,227.44 ; 205.38,145.05 205.38,145.68 205.79,146.09 206.55,146.09 206.58,146.11 206.58,146.93 ; 243.87,54.47 243.87,56.58 244.58,57.29 244.58,60.08 ; 140.13,251.65 140.13,253.96 141.43,255.26 141.43,257.24 ; 233.76,54.85 233.76,56.32 234.87,57.44 234.87,60.13 ; 141.07,267.14 141.07,266.51 140.18,265.62 140.18,265.06 ; 216.51,153.56 216.51,150.38 215.8,149.67 215.8,147.94 ; 150.11,258.28 150.11,261.4 151.56,262.85 151.56,263.99 ; 244.88,66.92 244.88,64.15 243.61,62.88 243.61,61.13 ; 215.57,154.65 215.57,155.38 215.8,155.61 218.41,155.61 219.13,156.32 ; 245.16,70.22 245.16,69.71 243.89,68.44 243.89,67.93 ; 151.13,257.24 151.13,254.8 150.37,254.04 150.37,251.63 ; 206.55,160.39 206.65,160.29 206.65,156.98 205.84,156.17 205.84,154.65 ; 140.39,258.28 140.39,261.2 141.12,261.94 141.12,264.07 ; 219.18,157.82 219.18,157.9 219.43,158.15 221.03,158.15 221.36,158.48 ; 206.4,163.28 206.4,162.65 206.2,162.45 205.87,162.45 205.56,162.14 205.56,161.43 ; 234.59,66.94 234.59,64.1 233.91,63.41 233.91,61.13 ; 234.01,53.33 233.65,52.97 232.69,52.97 232.38,52.67 232.33,52.67 ; 233.63,67.93 233.63,68.52 234.42,69.3 234.42,69.79 ; 151.31,250.53 151.31,249.95 150.77,249.42 150.77,248.88 ; 141.2,250.63 141.2,249.9 139.93,248.63 139.93,248.55 ; 151.92,266.28 151.41,265.77 150.83,265.77 150.67,265.62 150.67,265.24 ; 216.18,145.1 216.18,145.71 216.81,146.34 216.81,146.88 ; 244.2,51.14 244.2,51.73 244.78,52.31 244.78,53.43 ; 205.56,147.99 205.56,149.52 206.91,150.86 206.91,153.58 ; 266.17,262.98 265.75,263.4
  Top w2.54: 283.56,221.54 285.55,221.54 289.78,225.77 289.78,228.53
  Bottom w0.203: v1(293.29,255.28) 292.33,256.25 v1(290.75,256.25) ; v1(265.66,246.34) 265.66,250.51 v1(267.69,252.54) ; v1(231.93,272.35) 232.99,271.28 v1(242.8,271.28) ; v1(303.66,252.54) 301.62,250.51 v1(301.62,246.34) ; v1(242.8,282.21) 232.89,282.21 v1(231.88,283.22) ; v1(257.33,255.28) 256.36,256.25 v1(254.79,256.25) ; v1(317.63,347.02) 317.63,347.69 v1(316.3,349.02)
  Bottom w0.254: v1(301.93,205.7) 301.93,209.36 v1(303.76,211.19) ; v1(302.79,214.29) 302.79,217.23 v1(304.72,219.16) ; v1(294.06,210.02) 292.23,208.19 v1(292.23,206.01) ; v1(295.22,219.88) 293.24,217.89 v1(293.24,214.34)
  Bottom w1.905: v1(279.25,209.49) 268.8,209.49 265.75,206.44
  Bottom w2.54: 367.75,239.91 385.45,239.91 ; 385.6,239.89 387.08,239.89 388.68,241.49 ; 367.61,228.82 390.43,228.82 ; 213.84,143.01 213.84,155.64 219.3,161.1 ; 325.75,360.03 321.23,355.51 321.23,344.89 309.75,344.89 309.75,345.27 ; 241.91,71.49 241.91,49.52
  vias: v1(213.08,143.4) v1(214.66,143.4) v1(219.02,161.73) v1(219.94,160.74) v1(230.99,112.78) v1(231.58,114.24) v1(240.93,14.96) v1(241.15,71.46) v1(241.12,49.49) v1(242.51,14.96) v1(242.72,71.46) v1(242.7,49.49) v1(247.5,187.38) v1(247.5,185.8) v1(259.27,242.91) v1(259.21,237.45) v1(260.85,242.91) v1(260.78,237.45) v1(264.11,327.57) v1(265.68,327.57) v1(270.13,242.91) v1(271.7,242.91) v1(276,251.71) v1(276,250.14) v1(279.25,211.06) v1(283.63,221.73) v1(283.63,220.15) v1(289.32,193.14) v1(289.38,200.32) v1(290.93,234.87) v1(290.93,233.3) v1(290.96,200.32) v1(290.89,193.14) v1(300.05,284.14) v1(300.04,231.8) v1(300.36,243.04) v1(300.36,194.02) v1(300.48,264.76) v1(301.62,284.14) v1(301.61,231.8) v1(301.93,243.04) v1(301.93,194.02) v1(302.06,264.76) v1(309.35,345.43) v1(310.29,344.46) v1(310.68,257.54) v1(310.68,255.97) v1(319.89,221.98) v1(319.89,220.41) v1(319.95,211) v1(319.95,209.42) v1(321.03,344.26) v1(322,345.2) v1(325.15,360.57) v1(326.09,359.6) v1(334.98,304.27) v1(336.55,304.27) v1(337.54,171.06) v1(337.54,169.48) v1(351.15,386.59) v1(352.15,385.57) v1(368.04,240.73) v1(368.04,239.16) v1(368.04,229.52) v1(368.04,227.95) v1(371.41,141.92) v1(372.62,143.07) v1(373.04,407.85) v1(374.08,406.59) v1(387.38,240.93) v1(387.82,239.87) v1(390.18,229.56) v1(421.51,118.87) v1(422.72,120.02) v1(423.54,272.42) v1(424.69,271.21) v1(433.81,229.79) v1(433.81,228.22) v1(459.93,308.29) v1(461.07,307.09) v1(486.77,229.6) v1(486.77,228.03)
Net-(J1-Pad44): length 219.8
  Top w0.254: v1(22.94,235.47) 25.6,235.47
  Bottom w0.254: v1(22.94,235.47) 22.94,245.1 55.84,278 159.27,278 167.97,269.3 212.82,269.3 J1.44
Net-(J1-Pad48): length 663.5
  Top w0.254: 245.21,21.98 245.21,19.83 v1(245.4,19.64)
  Bottom w0.254: v1(245.4,19.64) 244.8,19.64 231.64,6.48 37.27,6.48 25.84,17.91 25.84,243.78 58.17,276.1 158.81,276.1 170.38,264.53 J1.48
Net-(J1-Pad52): length 925.3
  Top w0.254: 428.7,118.33 v1(429.69,117.34) ; v1(236.73,9.02) v1(251.02,9.02)
  Bottom w0.254: v1(251.02,9.02) 369.95,9.02 447.42,86.49 447.42,100.33 430.42,117.34 v1(429.69,117.34) ; v1(236.73,9.02) 37.15,9.02 27.69,18.48 27.69,243.4 58.86,274.57 157.86,274.57 166.75,265.68 185.23,265.68 191.47,259.45 J1.52
Net-(J1-Pad56): length 545.4
  Top w0.254: 142.24,12.51 v1(142.24,10.86)
  Bottom w0.254: v1(142.24,10.86) 37.78,10.86 29.65,18.99 29.65,243.08 59.69,273.11 156.97,273.11 166.12,263.97 184.34,263.97 193.94,254.37 J1.56
Net-(J1-Pad60): length 483.8
  Top w0.254: 49.12,469.33 50.11,468.34 ; v1(32.77,228.35) v1(19.18,228.35)
  Bottom w0.254: J1.60 195.15,249.29 183.26,261.18 166.37,261.18 156.59,270.95 61.09,270.95 32.7,242.57 32.7,228.41 v1(32.77,228.35) ; 49.12,469.33 49.07,469.33 19.18,439.43 v1(19.18,228.35)
  vias: v1(49.1,469.35)

## Copper pours and planes (outline as drawn; the poured copper is in the pictures)
GND on Bottom: 283.21,195.33 287.65,194.06 292.54,194.12 292.67,190.25 274.45,186.82 252.22,184.53 246.38,183.9 242.89,189.99 275.15,198.18
(no net) on Top: 497.71,1.84 1.78,1.84 1.78,498.22 497.71,498.22

## Text on the board
B.SilkS: <---- 485.5mm OC ----> | 500x500 DC Metro Board / Rev00 / ASL Nov '21
